# Altium PCB Inverter_540VDC_V2.PcbDoc (part 1 of 3) (continued)
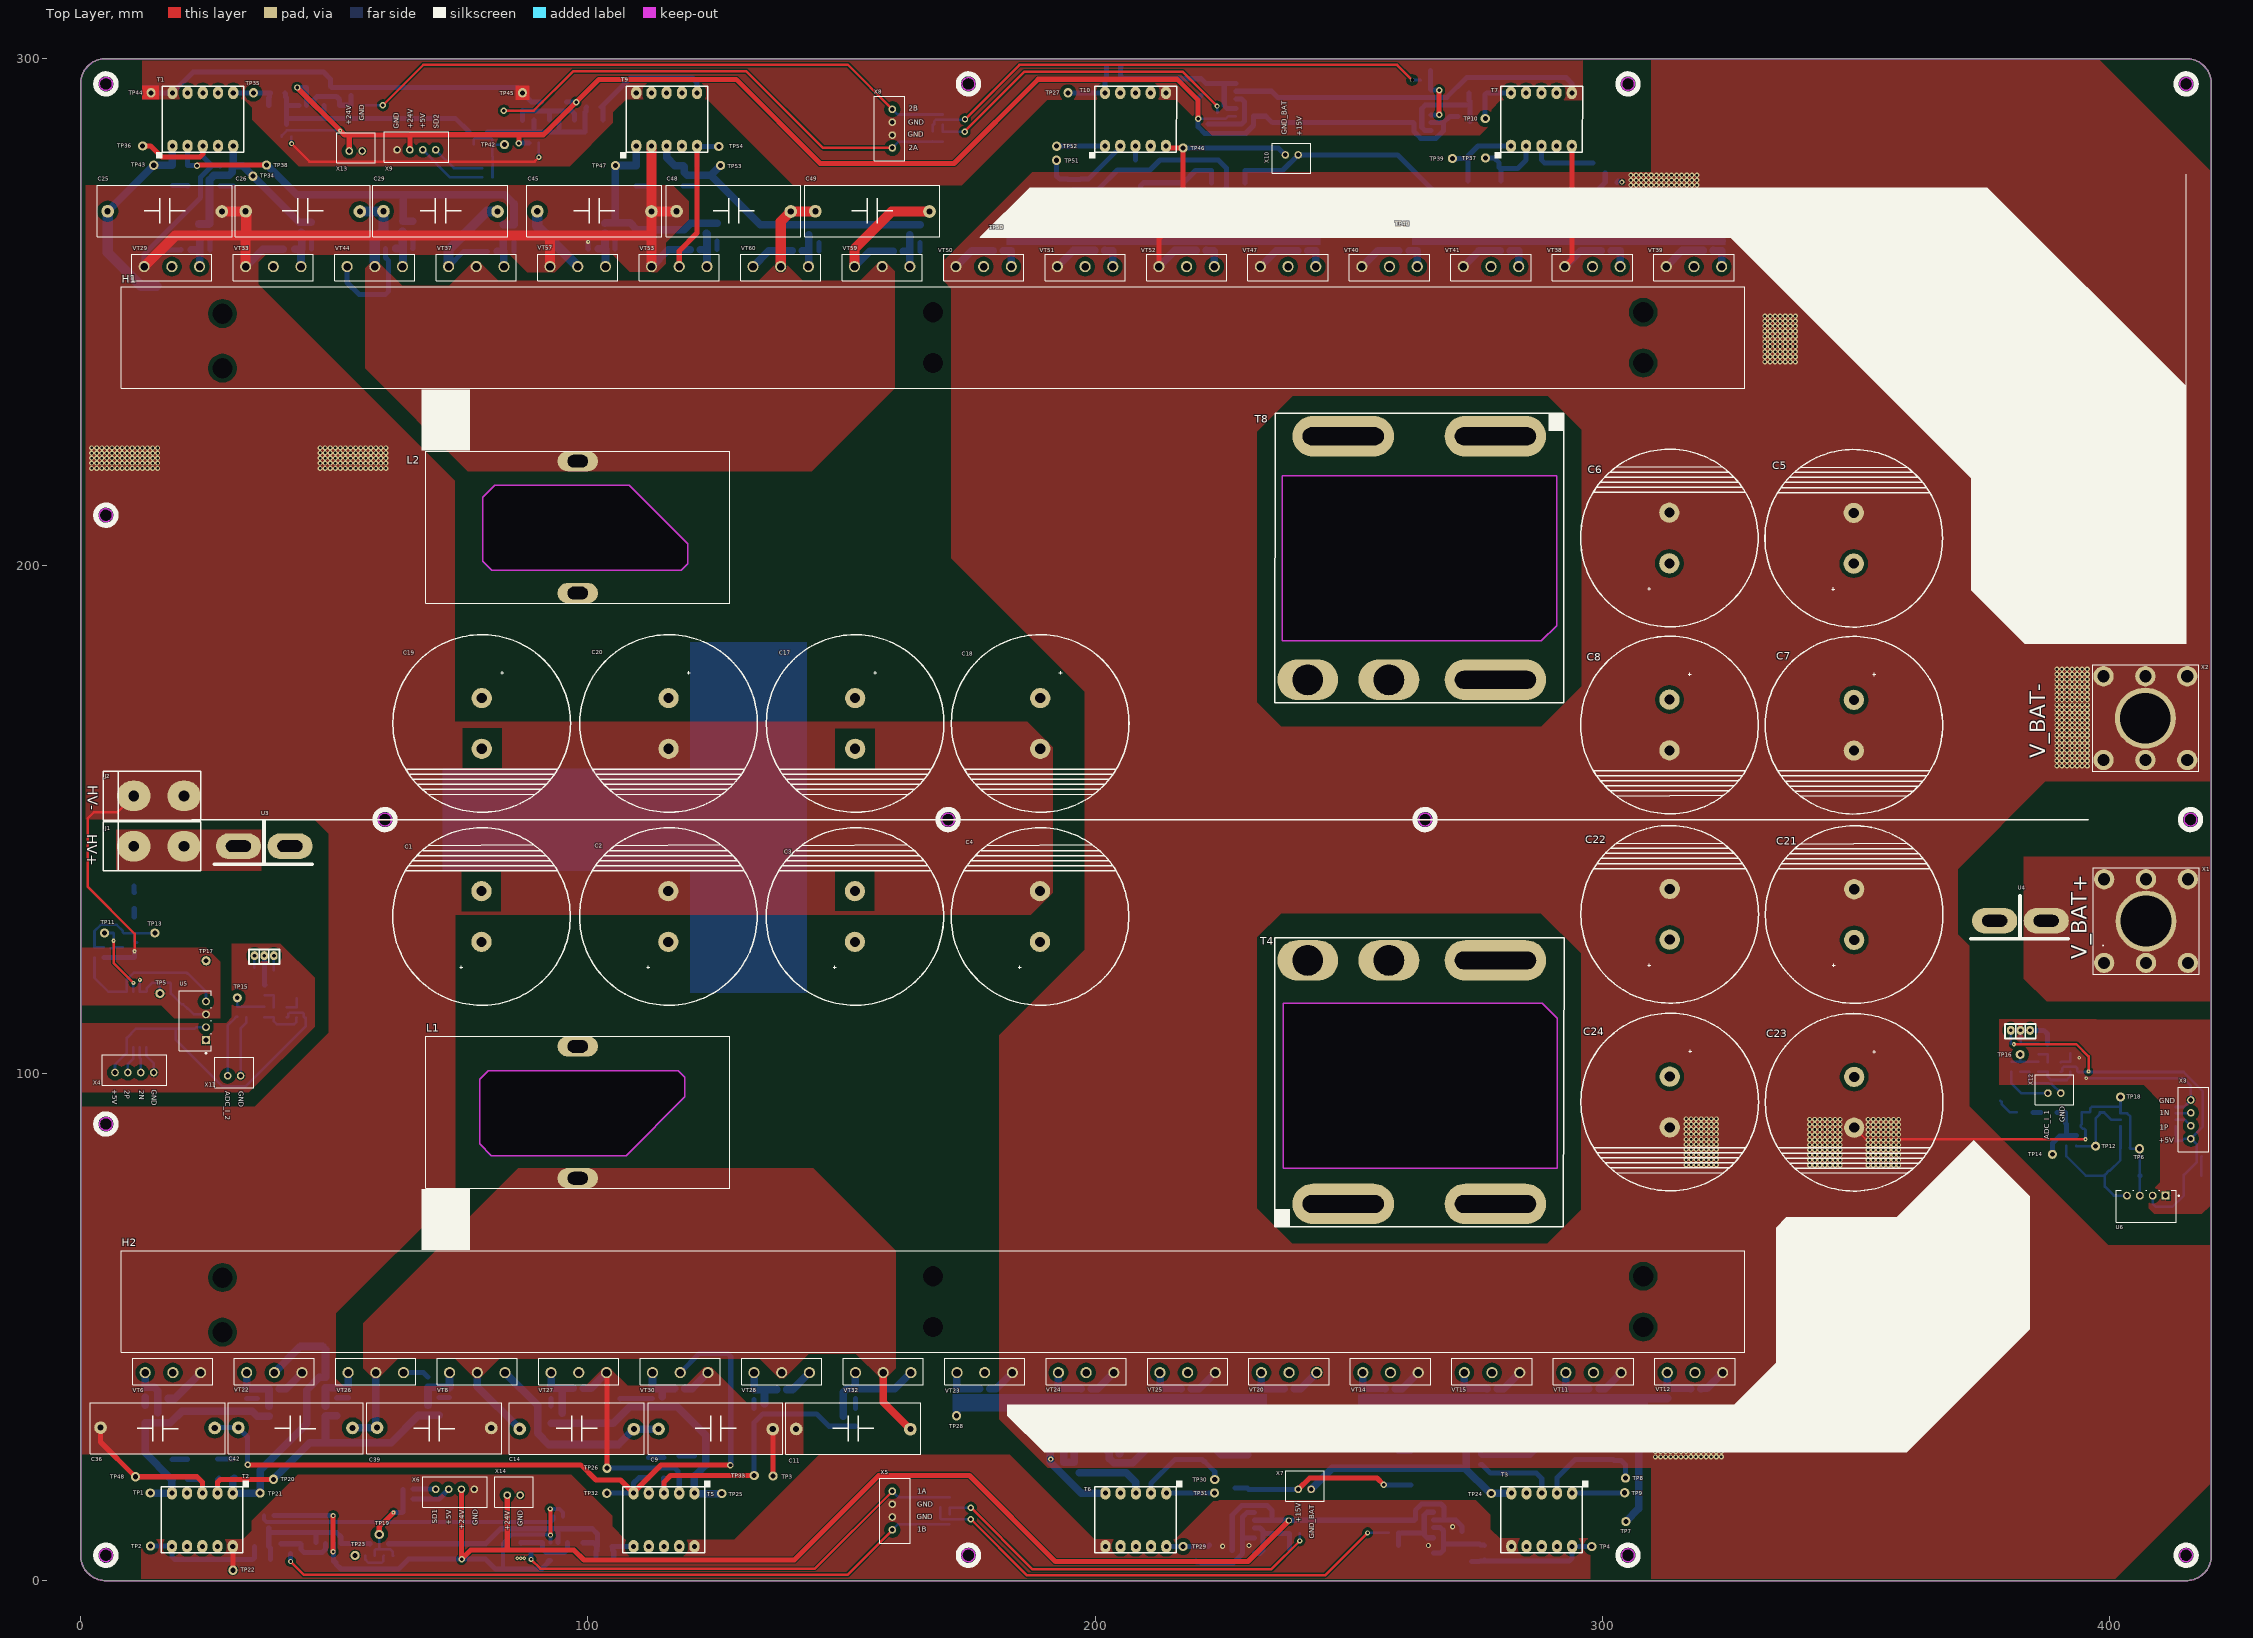
[diagram p0: Top Layer view]
## Components (designator, comment, footprint, x,y, rotation, side; value= is the part's Value field where it differs from the comment) (continued)
R12 "100" RES-0805 169.425,15.425 r90 bottom
R13 "100" RES-0805 171.3,15.4 r90 bottom
R14 "100" RES-0805 169.422,12.062 r270 bottom
R15 "100" RES-0805 171.275,12.075 r270 bottom
R16 "10K" RES-0805 54.275,292.675 r180 bottom
R17 "10" RES-0805 41.4,6.3 r90 bottom
R18 "10K" RES-0805 265.1,297.675 r180 bottom
R19 "RES-CONST" RES-0805 15.25,32.1 r90 bottom
R20 "RES-CONST" RES-0805 16.25,35.9 r0 bottom
R21 "RES-CONST" RES-0805 12.75,37.1 r90 bottom
R22 "RES-CONST" RES-2512 260.95,22.15 r90 bottom
R23 "RES-CONST" RES-0805 98.075,37.95 r0 bottom
R24 "RES-CONST" RES-0805 92.75,36.925 r90 bottom
R25 "RES-CONST" RES-0805 138.225,37.675 r0 bottom
R26 "RES-CONST" RES-0805 134.8,33.875 r90 bottom
R27 "RES-CONST" RES-0805 132.75,36.65 r90 bottom
R28 "RES-CONST" RES-0805 68.475,33.55 r90 bottom
R29 "RES-CONST" RES-0805 252.75,36.925 r270 bottom
R30 "RES-CONST" RES-0805 23.275,266.4 r270 bottom
R31 "RES-CONST" RES-0805 20.825,262.3 r180 bottom
R32 "RES-CONST" RES-0805 24.475,262.275 r180 bottom
R33 "RES-CONST" RES-0805 272.75,36.925 r270 bottom
R34 "RES-CONST" RES-0805 292.75,36.925 r270 bottom
R35 "RES-CONST" RES-0805 312.75,36.925 r270 bottom
R36 "10" RES-0805 54.275,290.8 r180 bottom
R37 "RES-CONST" RES-0805 43.475,266.725 r270 bottom
R38 "RES-CONST" RES-0805 41.075,262.425 r180 bottom
R39 "RES-CONST" RES-0805 72.725,37.075 r90 bottom
R40 "" RES-1206 10.575,138.85 r90 bottom
R41 "RES-CONST" RES-0805 68.5,39.1 r90 bottom
R42 "10" RES-0805 289.228,29.125 r90 bottom
R43 "100" RES-0805 275.95,23.9 r90 bottom
R44 "100" RES-0805 258.825,9.425 r0 bottom
R45 "RES-CONST" RES-2512 300.875,20.575 r90 bottom
R46 "RES-CONST" RES-0805 258.125,37.8 r180 bottom
R47 "RES-CONST" RES-0805 278.2,37.8 r180 bottom
R48 "RES-CONST" RES-0805 298.3,37.8 r180 bottom
R49 "RES-CONST" RES-0805 318.4,37.8 r180 bottom
R50 "RES-CONST" RES-0805 44.475,262.425 r180 bottom
R51 "1K" RES-0805 64.55,16.1 r180 bottom
R52 "1" RES-0805 64.525,18.025 r180 bottom
R53 "RES-CONST" RES-0805 238.2,37.85 r0 bottom
R54 "RES-CONST" RES-0805 178.225,37.8 r0 bottom
R55 "RES-CONST" RES-0805 198.225,37.8 r0 bottom
R56 "RES-CONST" RES-0805 217.95,37.8 r180 bottom
R57 "RES-CONST" RES-2512 271.35,271.3 r0 bottom
R58 "" RES-1206 376.775,94.6 r180 bottom
R59 "" RES-1206 10.6,134.05 r90 bottom
R60 "RES-CONST" RES-0805 114.675,35.25 r90 bottom
R61 "" RES-1206 383.212,92.274 r180 bottom
R62 "10" RES-0805 196.875,30.875 r0 bottom
R63 "100" RES-0805 195.95,22.4 r90 bottom
R64 "RES-CONST" RES-2512 219.95,20.575 r90 bottom
R65 "100" RES-0805 239.275,9.3 r180 bottom
R66 "RES-CONST" RES-0805 118.075,37.875 r0 bottom
R67 "RES-CONST" RES-0805 232.75,36.9 r90 bottom
R68 "RES-CONST" RES-0805 172.725,36.925 r90 bottom
R69 "RES-CONST" RES-0805 192.7,36.925 r90 bottom
R70 "RES-CONST" RES-0805 212.775,36.925 r90 bottom
R71 "RES-CONST" RES-0805 83.3,266.275 r270 bottom
R72 "RES-CONST" RES-0805 112.725,36.875 r90 bottom
R73 "1K" RES-0805 38.075,116.4 r270 bottom
R74 "10" RES-0805 88.75,6.5 r90 bottom
R75 "1K" RES-0805 387.675,104.775 r270 bottom
R76 "RES-CONST" RES-2512 228.8,21.55 r90 bottom
R77 "RES-CONST" RES-0805 150.35,31.425 r90 bottom
R78 "RES-CONST" RES-0805 158.225,37.8 r0 bottom
R79 "RES-CONST" RES-0805 152.725,36.85 r90 bottom
R80 "RES-CONST" RES-0805 263.475,263.125 r90 bottom
R81 "RES-CONST" RES-0805 283.475,263.125 r90 bottom
R82 "RES-CONST" RES-0805 303.45,263.125 r90 bottom
R83 "RES-CONST" RES-0805 323.475,263.125 r90 bottom
R84 "RES-CONST" RES-0805 84.45,262 r180 bottom
R85 "RES-CONST" RES-0805 81.175,262 r180 bottom
R86 "10" RES-0805 296.525,269.975 r270 bottom
R87 "100" RES-0805 300.5,278.4 r270 bottom
R88 "100" RES-0805 265.1,295.725 r0 bottom
R89 "RES-CONST" RES-2512 276.725,277.075 r0 bottom
R90 "RES-CONST" RES-0805 63.45,267 r270 bottom
R91 "RES-CONST" RES-0805 61.1,262.55 r180 bottom
R92 "RES-CONST" RES-0805 64.475,262.525 r180 bottom
R93 "RES-CONST" RES-0805 260.85,262.1 r0 bottom
R94 "RES-CONST" RES-0805 280.825,262.1 r0 bottom
R95 "RES-CONST" RES-0805 300.75,262.15 r0 bottom
R96 "RES-CONST" RES-0805 320.8,262.175 r0 bottom
R97 "1K" RES-0805 80.2,276.6 r0 bottom
R98 "1" RES-0805 80.196,278.425 r0 bottom
R99 "RES-CONST" RES-0805 240.9,262.15 r180 bottom
R100 "RES-CONST" RES-0805 180.85,262.125 r180 bottom
R101 "RES-CONST" RES-0805 200.875,262.175 r180 bottom
R102 "RES-CONST" RES-0805 220.85,262.175 r0 bottom
R103 "RES-CONST" RES-0805 123.35,266.525 r270 bottom
R104 "RES-CONST" RES-0805 121.2,262.325 r180 bottom
R105 "RES-CONST" RES-0805 124.475,262.325 r180 bottom
R106 "RES-CONST" RES-0805 103.375,266.575 r270 bottom
R107 "RES-CONST" RES-2512 195.875,279.425 r270 bottom
R108 "100" RES-0805 224.031,288.129 r270 bottom
R109 "RES-CONST" RES-0805 101.075,262.475 r180 bottom
R110 "RES-CONST" RES-0805 243.45,263.125 r270 bottom
R111 "RES-CONST" RES-0805 183.475,263.125 r270 bottom
R112 "RES-CONST" RES-0805 203.45,263.125 r270 bottom
R113 "RES-CONST" RES-0805 223.45,263.05 r270 bottom
R114 "10" RES-0805 220.9,270.525 r270 bottom
R115 "100" RES-0805 207.925,279.05 r270 bottom
R116 "RES-CONST" RES-0805 104.375,262.475 r180 bottom
R117 "10" RES-0805 86.15,289.725 r0 bottom
R118 "RES-CONST" RES-2512 226.225,276.7 r180 bottom
R119 "RES-CONST" RES-0805 163.425,266.25 r270 bottom
R120 "RES-CONST" RES-0805 161.175,262.025 r180 bottom
R121 "RES-CONST" RES-0805 164.45,262.025 r180 bottom
R122 "RES-CONST" RES-0805 141.225,262.1 r180 bottom
R123 "RES-CONST" RES-0805 143.5,266.275 r270 bottom
R124 "RES-CONST" RES-0805 144.525,262.125 r180 bottom
R125 "" RES-1206 10.575,129.225 r90 bottom
R126 "" RES-1206 388,92.25 r180 bottom
R127 "" RES-0805 2.75,123.8 r270 bottom
R128 "" RES-0805 391.4,86.675 r270 bottom
R129 "1K" RES-0805 7.5,127.625 r180 bottom
R130 "1K" RES-0805 393.35,86.7 r270 bottom
R131 "1M" RES-0805 8.3,123.825 r90 bottom
R132 "1M" RES-0805 395.175,86.65 r270 bottom
R133 "RES_1210" RES-1206 10.575,124.425 r90 bottom
R134 "10K" RES-0805 36.219,112.075 r90 bottom
R135 "1K" RES-0805 30.894,112.1 r270 bottom
R136 "RES_1210" RES-1206 392.8,92.25 r180 bottom
R137 "10K" RES-0805 385.9,101.275 r90 bottom
R138 "1K" RES-0805 380.575,101.3 r270 bottom
R139 "1K" RES-0805 42.594,111.975 r270 bottom
R140 "1K" RES-0805 392.175,101.25 r270 bottom
R141 "36K" RES-0805 32.669,112.075 r90 bottom
R142 "36K" RES-0805 382.325,101.3 r90 bottom
R143 "100K" RES-0805 41.569,114.75 r0 bottom
R144 "100K" RES-0805 391.125,103.925 r0 bottom
R145 "10K" RES-0805 222.225,288.125 r270 bottom
R146 "10K" RES-0805 86.15,287.825 r0 bottom
R147 "100" RES-0805 167.95,284.65 r270 bottom
R148 "100" RES-0805 169.925,284.6 r270 bottom
R149 "100" RES-0805 167.925,287.975 r90 bottom
R150 "100" RES-0805 169.9,287.975 r90 bottom
T1 "TRANS_EE16" TRANS_EE16 24.1,288 r90 top locked
T2 "TRANS_EE16" TRANS_EE16 24,12 r270 top locked
T3 "TRANS_EE16" TRANS_EE16 288,12 r270 top locked
T4 "TRANS_EE55" TRANS_EE55 263.875,98.25 r90 top locked
T5 "TRANS_EE16" TRANS_EE16 115,12 r270 top locked
T6 "TRANS_EE16" TRANS_EE16 208,12 r270 top locked
T7 "TRANS_EE16" TRANS_EE16 287.925,288 r90 top locked
T8 "TRANS_EE55" TRANS_EE55_1 263.875,201.55 r270 top locked
T9 "TRANS_EE16" TRANS_EE16 115.525,288 r90 top locked
T10 "TRANS_EE16" TRANS_EE16 207.925,288 r90 top locked
TP1 "Test_Point_PCB" Test_Point#1 13.75,17.275 r0 top
TP2 "Test_Point_PCB" Test_Point#1 13.775,6.8 r90 top
TP3 "Test_Point_PCB" Test_Point#1 136.5,20.625 r90 top
TP4 "Test_Point_PCB" Test_Point#1 297.85,6.7 r90 top
TP5 "Test_Point_PCB" Test_Point#1 15.625,115.725 r270 top
TP6 "Test_Point_PCB" Test_Point#1 405.8,85.125 r90 top
TP7 "Test_Point_PCB" Test_Point#1 304.575,11.65 r90 top
TP8 "Test_Point_PCB" Test_Point#1 304.5,20.2 r90 top
TP9 "Test_Point_PCB" Test_Point#1 304.35,17.325 r90 top
TP10 "Test_Point_PCB" Test_Point#1 276.875,288.175 r90 top
TP11 "Test_Point_PCB" Test_Point#2 4.725,127.65 r270 top
TP12 "Test_Point_PCB" Test_Point#2 397.175,85.625 r90 top
TP13 "Test_Point_PCB" Test_Point#2 14.65,127.65 r90 top
TP14 "Test_Point_PCB" Test_Point#2 388.65,84.025 r90 top
TP15 "Test_Point_PCB" Test_Point#2 30.9,114.875 r90 top
TP16 "Test_Point_PCB" Test_Point#2 382.3,103.7 r90 top
TP17 "Test_Point_PCB" Test_Point#2 24.75,122.175 r90 top
TP18 "Test_Point_PCB" Test_Point#2 402.075,95.322 r90 top
TP19 "Test_Point_PCB" Test_Point#1 58.875,9.125 r90 top
TP20 "Test_Point_PCB" Test_Point#1 38.025,19.975 r90 top
TP21 "Test_Point_PCB" Test_Point#1 35.4,17.25 r90 top
TP22 "Test_Point_PCB" Test_Point#1 30.025,2.05 r90 top
TP23 "Test_Point_PCB" Test_Point#1 54.125,4.975 r90 top
TP24 "Test_Point_PCB" Test_Point#1 278.05,17.2 r90 top
TP25 "Test_Point_PCB" Test_Point#1 126.375,17.15 r90 top
TP26 "Test_Point_PCB" Test_Point#1 103.75,22.164 r90 top
TP27 "Test_Point_PCB" Test_Point#1 194.625,293.25 r90 top
TP28 "Test_Point_PCB" Test_Point#1 172.675,32.5 r90 top
TP29 "Test_Point_PCB" Test_Point#1 217.323,6.75 r90 top
TP30 "Test_Point_PCB" Test_Point#1 223.55,19.9 r90 top
TP31 "Test_Point_PCB" Test_Point#1 223.5,17.3 r90 top
TP32 "Test_Point_PCB" Test_Point#1 103.725,17.225 r90 top
TP33 "Test_Point_PCB" Test_Point#1 132.775,20.7 r90 top
TP34 "Test_Point_PCB" Test_Point#1 33.987,276.813 r90 top
TP35 "Test_Point_PCB" Test_Point#1 34.078,293.25 r90 top
TP36 "Test_Point_PCB" Test_Point#1 12.25,282.775 r90 top
TP37 "Test_Point_PCB" Test_Point#1 276.91,280.408 r90 top
TP38 "Test_Point_PCB" Test_Point#1 36.675,279 r90 top
TP39 "Test_Point_PCB" Test_Point#1 270.375,280.3 r90 top
TP40 "Test_Point_PCB" Test_Point#1 263.45,267.45 r90 top
TP42 "Test_Point_PCB" Test_Point#1 83.55,283.025 r90 top
TP43 "Test_Point_PCB" Test_Point#1 14.425,278.975 r90 top
TP44 "Test_Point_PCB" Test_Point#1 13.9,293.25 r90 top
TP45 "Test_Point_PCB" Test_Point#1 87.1,293.25 r90 top
TP46 "Test_Point_PCB" Test_Point#1 217.325,282.375 r90 top
TP47 "Test_Point_PCB" Test_Point#1 105.425,278.918 r90 top
TP48 "Test_Point_PCB" Test_Point#1 10.8,20.475 r90 top
TP50 "Test_Point_PCB" Test_Point#1 183.475,266.8 r90 top
TP51 "Test_Point_PCB" Test_Point#1 192.375,279.95 r90 top
TP52 "Test_Point_PCB" Test_Point#1 192.4,282.725 r90 top
TP53 "Test_Point_PCB" Test_Point#1 126.15,278.925 r90 top
TP54 "Test_Point_PCB" Test_Point#1 125.8,282.7 r90 top
U1 "AMC1311" FP-DWV0008A-MFG 11.05,110.625 r270 bottom
U2 "AMC1311" FP-DWV0008A-MFG 407.525,91.45 r0 bottom
U3 "ACS758" ACS758-100 36.2,132.95 r0 top locked
U4 "ACS758" ACS758-100 382.35,118.25 r0 top locked
U5 "B0505S-1W" B0505S-1W 22.625,110.35 r90 top
U6 "B0505S-1W" B0505S-1W 407.15,73.775 r180 top
U7 "MCP6001T-I/OT" SOT23-5 39.394,112.025 r0 bottom
U8 "MCP6001T-I/OT" SOT23-5 389,101.25 r0 bottom
VD1 "1N4148" SOD-123 34.85,34.125 r90 bottom
VD2 "1N4148" SOD-123 50.5,34.225 r90 bottom
VD3 "1N4148" SOD-123 92.75,32.7 r90 bottom
VD4 "1N4148" SOD-123 132.775,32.225 r90 bottom
VD5 "1N4148" SOD-123 25.425,265.725 r270 bottom
VD6 "BAT54S" SOT23-3 40.6,285.825 r90 bottom
VD7 "J3 16V" SOD-80 30.1,276.9 r90 bottom locked
VD8 "1N4148" SOD-123 45.475,265.975 r270 bottom
VD9 "J3 16V" SOD-80 27.475,276.875 r90 bottom
VD10 "1N4148" SOD-123 38.85,290.75 r180 bottom
VD11 "J3 16V" SOD-80 21.125,276.9 r90 bottom locked
VD12 "BAT54S" SOT23-3 37.15,11.6 r270 bottom
VD13 "J3 16V" SOD-80 18.075,21.875 r270 bottom
VD14 "1N4148" SOD-123 12.75,32.85 r90 bottom
VD15 "J3 16V" SOD-80 21.05,21.925 r270 bottom
VD16 "1N4148" SOD-123 35.65,4.125 r180 bottom
VD17 "J3 16V" SOD-80 27.05,21.95 r270 bottom
VD18 "1N4148" SOD-123 70.7,34.325 r90 bottom
VD19 "J3 16V" SOD-80 30.05,21.95 r270 bottom
VD20 "1N4148" SOD-123 274.15,5.5 r270 bottom
VD21 "J3 16V" SOD-80 275.967,28.675 r270 bottom
VD22 "J3 16V" SOD-80 273.117,28.675 r270 bottom
VD23 "BAT54S" SOT23-3 271.375,8.5 r270 bottom
VD24 "J3 16V" SOD-80 191.225,27.425 r270 bottom
VD25 "J3 16V" SOD-80 193.825,27.425 r270 bottom
VD26 "BAT54S" SOT23-3 94.175,11.425 r270 bottom
VD27 "BAT54S" SOT23-3 226.05,4.725 r270 bottom
VD28 "J3 16V" SOD-80 120.975,22.525 r270 bottom
VD29 "1N4148" SOD-123 222.55,5.275 r90 bottom
VD30 "1N4148" SOD-123 106.325,34.1 r90 bottom
VD31 "1N4148" SOD-123 103.35,4.175 r0 bottom
VD32 "J3 16V" SOD-80 117.975,22.525 r270 bottom
VD33 "J3 16V" SOD-80 114.95,22.25 r270 bottom
VD34 "1N4148" SOD-123 152.725,32.175 r90 bottom
VD35 "J3 16V" SOD-80 111.925,22.275 r270 bottom
VD36 "1N4148" SOD-123 85.425,265.55 r270 bottom
VD37 "J3 16V" SOD-80 18.1,276.9 r90 bottom locked
VD38 "1N4148" SOD-123 275.425,293.25 r0 bottom
VD39 "J3 16V" SOD-80 300.525,273.575 r90 bottom
VD40 "BAT54S" SOT23-3 272.7,287.6 r0 bottom
VD41 "1N4148" SOD-123 65.5,266.175 r270 bottom
VD42 "J3 16V" SOD-80 302.8,273.575 r90 bottom
VD43 "1N4148" SOD-123 125.45,265.8 r270 bottom
VD44 "J3 16V" SOD-80 197.525,270.15 r90 bottom
VD45 "BAT54S" SOT23-3 221.775,293.929 r90 bottom
VD46 "J3 16V" SOD-80 195.125,270.125 r90 bottom
VD47 "BAT54S" SOT23-3 89.375,284.575 r90 bottom
VD48 "J3 16V" SOD-80 109.5,276.9 r90 bottom locked
VD49 "1N4148" SOD-123 203.65,296.025 r180 bottom
VD50 "1N4148" SOD-123 105.425,265.875 r270 bottom
VD51 "1N4148" SOD-123 101.2,287.925 r0 bottom
VD52 "J3 16V" SOD-80 112.5,276.9 r90 bottom locked
VD53 "J3 16V" SOD-80 118.775,276.875 r90 bottom locked
VD54 "1N4148" SOD-123 165.45,265.5 r270 bottom
VD55 "J3 16V" SOD-80 121.525,276.9 r90 bottom locked
VD56 "1N4148" SOD-123 145.521,265.475 r270 bottom
VT1 "2SC2655" SOT-89 49.822,5.3 r0 bottom
VT2 "2SA1020" SOT-89 44.897,5.3 r0 bottom
VT3 "2SC2655" SOT-89 280.428,29.9 r0 bottom
VT4 "2SC2655" SOT-89 264.7,11.95 r270 bottom
VT5 "2SA1020" SOT-89 285.378,29.9 r0 bottom
VT6 "YGW40N65F1" TO-247-3 18.2,41 r0 top locked
VT7 "2SA1020" SOT-89 264.7,6.925 r270 bottom
VT8 "YGW40N65F1" TO-247-3 78.2,41 r0 top locked
VT9 "2SA1020" SOT-89 206.25,28.85 r0 bottom
VT10 "2SA1020" SOT-89 233.375,6.925 r90 bottom
VT11 "NCE82H140" TO-247-3 298.2,41 r0 top locked
VT12 "NCE82H140" TO-247-3 318.2,41 r0 top locked
VT13 "2SA1020" SOT-89 97.525,5.475 r0 bottom
VT14 "NCE82H140" TO-247-3 258.2,41 r0 top locked
VT15 "NCE82H140" TO-247-3 278.2,41 r0 top locked
VT16 "2SC2655" SOT-89 233.375,11.9 r90 bottom
VT17 "2SC2655" SOT-89 201.3,28.85 r0 bottom
VT18 "AO3404" SOT23-3 57.025,6.075 r90 bottom
VT19 "AO3404" SOT23-3 60.675,6.075 r90 bottom
VT20 "NCE82H140" TO-247-3 238.2,41 r0 top locked
VT21 "2SC2655" SOT-89 92.6,5.5 r0 bottom
VT22 "YGW40N65F1" TO-247-3 38.2,41 r0 top locked
VT23 "NCE82H140" TO-247-3 178.2,41 r0 top locked
VT24 "NCE82H140" TO-247-3 198.2,41 r0 top locked
VT25 "NCE82H140" TO-247-3 218.2,41 r0 top locked
VT26 "YGW40N65F1" TO-247-3 58.2,41 r0 top locked
VT27 "YGW40N65F1" TO-247-3 98.2,41 r0 top locked
VT28 "YGW40N65F1" TO-247-3 138.2,41 r0 top locked
VT29 "YGW40N65F1" TO-247-3 18,259 r180 top locked
VT30 "YGW40N65F1" TO-247-3 118.2,41 r0 top locked
VT31 "2SC2655" SOT-89 44.525,292.775 r180 bottom
VT32 "YGW40N65F1" TO-247-3 158.2,41 r0 top locked
VT33 "YGW40N65F1" TO-247-3 38,259 r180 top locked
VT34 "2SA1020" SOT-89 49.5,292.775 r180 bottom
VT35 "2SC2655" SOT-89 288,270.9 r180 bottom
VT36 "2SC2655" SOT-89 264.175,287.358 r270 bottom
VT37 "YGW40N65F1" TO-247-3 78,259 r180 top locked
VT38 "NCE82H140" TO-247-3 298,259 r180 top locked
VT39 "NCE82H140" TO-247-3 318,259 r180 top locked
VT40 "NCE82H140" TO-247-3 258,259 r180 top locked
VT41 "NCE82H140" TO-247-3 278,259 r180 top locked
VT42 "2SA1020" SOT-89 293.075,270.95 r180 bottom
VT43 "2SA1020" SOT-89 264.15,292.308 r270 bottom
VT44 "YGW40N65F1" TO-247-3 58,259 r180 top locked
VT45 "AO3404" SOT23-3 76.55,284.35 r90 bottom
VT46 "AO3404" SOT23-3 80.2,284.375 r90 bottom
VT47 "NCE82H140" TO-247-3 238,259 r180 top locked
VT48 "2SA1020" SOT-89 217.375,271.525 r180 bottom
VT49 "2SA1020" SOT-89 229.75,293.554 r90 bottom
VT50 "NCE82H140" TO-247-3 178,259 r180 top locked
VT51 "NCE82H140" TO-247-3 198,259 r180 top locked
VT52 "NCE82H140" TO-247-3 218,259 r180 top locked
VT53 "YGW40N65F1" TO-247-3 118,259 r180 top locked
VT54 "2SA1020" SOT-89 90.875,289.925 r180 bottom
VT55 "2SC2655" SOT-89 229.725,288.629 r90 bottom
VT56 "2SC2655" SOT-89 212.325,271.525 r180 bottom
VT57 "YGW40N65F1" TO-247-3 98,259 r180 top locked
VT58 "2SC2655" SOT-89 95.825,289.925 r180 bottom
VT59 "YGW40N65F1" TO-247-3 158,259 r180 top locked
VT60 "YGW40N65F1" TO-247-3 138,259 r180 top locked
X1 "V_BAT" Terminal_18x18_M8 407.1,130 r90 top locked
X2 "BAT_GND" Terminal_18x18_M8 406.975,170 r90 top locked
X3 "CONN-4-PIN" CONN-PLS-4-2.54mm_1 415.95,87.11 r90 top
X4 "CONN-4-PIN" CONN-PLS-4-2.54mm_1 14.415,100.15 r180 top
X5 "CONN-4-PIN" CONN-PLS-4-2.54mm_1 160,10 r90 top locked
X6 "CONN-4-PIN" CONN-PLS-4-2.54mm_1 70,18 r0 top locked
X7 "CONN-2-PIN" XH2- 240,18 r0 top locked
X8 "CONN-4-PIN" CONN-PLS-4-2.54mm_1 160,290 r270 top locked
X9 "CONN-4-PIN" CONN-PLS-4-2.54mm_1 70,282 r180 top locked
X10 "CONN-2-PIN" XH2- 240,281 r180 top locked
X11 "CONN-2-PIN" XH2- 29,99.5 r0 top
X12 "CONN-2-PIN" XH2- 387.775,96.1 r0 top
X13 "CONN-2-PIN" XH2- 52.96,281.775 r0 top
X14 "CONN-2-PIN" XH2- 84.11,16.85 r0 top

## Footprints (in the part's own frame and the unit in brackets; to place one, negate y for a bottom-side part, rotate by r counter-clockwise, add the part's x,y. Pads: shape width x height; smd on the part's side, far side on the other; paste and mask are expansions set on the pad)
ACS758-100 [mil]
  oval 60x70 hole 30: 1(-75,-385) 2(0,-385) 3(75,-385)
  oval 350x200 hole 90 slot 195 at 0 deg: 4(200,465) 5(-200,465)
  silkscreen extent -385,-449 370,665, body extent -276,-404 276,492, height 280
B0505S-1W [mm]
  rect 1.55x1.55 hole 1 paste-2539.97 mask+0: 1(-3.81,-2.1)
  round 1.55 hole 1 paste-2539.97 mask+0: 2(-1.27,-2.1) 3(1.27,-2.1) 4(3.81,-2.1)
  silkscreen extent -6.52,-3.13 5.92,3.13, body extent -6.02,-3.22 6.02,3.22, height 0.25
CAP-0805 [mm]
  rect 0.8x1.25 smd mask+0.015: 1(-1,0) 2(1,0)
  silkscreen extent -1.52,-0.76 1.52,0.76, body extent -1,-0.62 1,0.63, height 0.8
CAP-1206 [mm]
  rect 1.3x1.8 smd: 1(-1.425,0) 2(1.425,0)
  silkscreen extent -2.37,-1.2 2.37,1.2, body extent -1.68,-0.87 1.67,0.87, height 0.95
CAP-FILM-22.5X26.5X10 [mm]
  round 2.5 hole 1.2: 1(-11.25,0.15) 2(11.25,0.1)
  silkscreen extent -13.28,-5.02 13.33,5.1, body extent -13.25,-5 13.25,5, height 18.5
CAP-TAN-D [mm]
  rect 2.2x2.5 smd: 1(-3.45,0) 2(3.45,0)
  silkscreen extent -4.5,-2.4 3.65,2.4, body extent -3.8,-2.3 3.8,2.3, height 4
CAPPOL-65x35 [mm]
  round 4 hole 2: 1(-5,0) 2(5,0)
  silkscreen extent -17.5,-17.5 17.5,17.5, body extent -17.5,-17.5 17.5,17.5, height 65
CAPPOL-100x35 [mm]
  round 4 hole 2: 1(-5,0) 2(5,0)
  silkscreen extent -17.5,-17.5 17.5,17.5, body extent -17.5,-17.5 17.5,17.5, height 100
CONN-PLS-4-2.54mm_1 [mm]
  round 1.5 hole 0.9: 1(0,0) 2(2.54,0) 3(5.08,0) 4(7.62,0)
  silkscreen extent -2.6,-3.55 10.15,2.47, body extent -2.45,-3.4 9.95,2.35, height 7
Conn_MEIGAN_MG136HT [mm]
  oval 6x6.6 hole 2.159: 1(0,7.366) 1(0,-2.54)
  silkscreen extent -4.83,-8.51 4.83,10.67, body extent -6,-8.55 5,9.95, height 30.95
DROSSEL_TOR_50X30X20 [mm]
  oval 8x4 hole 2.5 slot 4 at 0 deg: 1(0,13) 2(0,-13)
  silkscreen extent -30,-15 30,15, body extent -30,-15 30,15, height 61.25
FP-DWV0008A-MFG [mm]
  rect 1.8x0.6 smd paste+0 mask+0: 1(-5.45,1.905) 2(-5.45,0.635) 3(-5.45,-0.635) 4(-5.45,-1.905) 5(5.45,-1.905) 6(5.45,-0.635) 7(5.45,0.635) 8(5.45,1.905)
  silkscreen extent -7.1,-2.98 3.8,2.98, body extent -5.75,-2.93 5.75,2.93, height 2.8
"HEAT SINK" [mm]
  round 1.524 hole 4 unplated: 5(-140,-5) 5(-140,5) 5(0,5) 5(0,-5) 5(140,-4.722) 5(140,6.028)
  round 0 all layers, no hole: 5(-70,-5) 5(-70,5) 5(70,-4.722) 5(70,5.778)
  silkscreen extent -160,-10 160,10, body extent -160,-10 160,10, height 97.5
RES-0805 [mm]
  rect 0.8x1.25 smd mask+0.015: 1(-1,0) 2(1,0)
  silkscreen extent -1.52,-0.76 1.52,0.76, body extent -1,-0.62 1,0.63, height 0.6
RES-1206 [mm]
  rect 1x1.6 smd: 1(-1.6,0) 2(1.6,0)
  silkscreen extent -2.29,-1.02 2.29,1.02, body extent -1.6,-0.8 1.6,0.8, height 0.6
RES-2512 [mm]
  rect 1.8x1.45 smd: 1(-3.275,-1.225) 1(-3.275,1.225) 2(3.275,-1.225) 2(3.275,1.225)
  silkscreen extent -4.28,-2.05 4.25,2.05, body extent -3.2,-1.6 3.2,1.6, height 0.6
SOD-80 [mm]
  rect 1.5x1.45 smd: 1(-2,0) 2(2,0)
  silkscreen extent -2.9,-0.9 2.93,0.92, body extent -1.88,-0.79 1.82,0.79, height 1.6
SOD-123 [mm]
  rect 1x0.7 smd: 1(-1.75,0) 2(1.75,0)
  silkscreen extent -2.37,-1.08 2.35,1.02, body extent -1.98,-0.85 1.98,0.85, height 1.45
SOT23-3 [mm]
  rect 1x0.6 smd: 1(-1.2,0.95) 2(-1.2,-0.95) 3(1.2,0)
  silkscreen extent -0.4,-1.55 0.4,1.55, body extent -1.25,-1.46 1.23,1.46, height 1.02
SOT23-5 [mm]
  rect 1x0.66 smd: 1(-1.3,0.95) 2(-1.3,0) 3(-1.3,-0.95) 4(1.3,-0.95) 5(1.3,0.95)
  silkscreen extent -2.05,-1.7 2.05,1.7, body extent -1.25,-1.5 1.25,1.5, height 1.08
SOT-89 [mm]
  rect 0.8x1.5 smd: 1(-1.525,-2) 2(0,-2) 3(1.5,-2)
  rect 2x1.5 smd: 2(0,1.5)
  silkscreen extent -2.35,-2.9 2.35,2.35, body extent -2.25,-2.29 2.25,1.86, height 1.5
Terminal_18x18_M8 [mm]
  round 4 hole 2.4: 1(-8.25,-8.25) 1(-8.25,0) 1(-8.25,8.25) 1(8.25,-8.25) 1(8.25,0) 1(8.25,8.25)
  round 12 hole 10: 1(0,0)
  silkscreen extent -10.5,-10.5 10.5,10.5, body extent -9,-9 9,9, height 12.5
Test_Point#1 [mm]
  round 1.8 hole 1 paste-2539.97 mask+0.102: 1(0,0)
Test_Point#2 [mm]
  round 1.8 hole 0.95: 1(0,0)
TO-247-3 [mm]
  round 2.2 hole 1.5: 1(-5.46,0) 2(0,0) 3(5.46,0)
  silkscreen extent -7.9,-2.4 7.9,2.8, body extent -7.75,-2.28 7.75,2.72, height 30.08
TRANS_EE16 [mm]
  oval 2.5x2 hole 1: 1(-5.25,6) 2(-5.25,3) 3(-5.25,0) 4(-5.25,-3) 5(-5.25,-6) 6(5.25,-6) 7(5.25,-3) 8(5.25,0) 9(5.25,3) 10(5.25,6)
  silkscreen extent -7.7,-8.11 6.5,9.2, body extent -6.47,-8.1 6.45,8.1, height 15.55
TRANS_EE55 [mm]
  oval 8x20 hole 3.5 slot 16 at 90 deg: 1(-24,15) 2(-24,-15) 3(24,-15)
  oval 8x12 hole 6: 4(24,6) 5(24,22)
  silkscreen extent -28.5,-28.53 28.5,28.5, body extent -28.5,-28.5 28.5,28.5, height 76.2
TRANS_EE55_1 [mm]
  oval 8x20 hole 3.5 slot 16 at 90 deg: 1(-24,-15) 2(-24,15) 3(24,15)
  oval 8x12 hole 6: 4(24,-6) 5(24,-22)
  silkscreen extent -28.5,-28.53 28.5,28.5, body extent -28.5,-28.4 28.5,28.6, height 75.2
XH2- [mm]
  round 1.5 hole 0.9: 1(0,0) 2(2.54,0)
  silkscreen extent -2.5,-2.35 5.13,3.65, body extent -2.4,-2.25 5,3.55, height 7

## Part data
C10 C12 C13 C15 C27 C28 C30 C31 C32 C34 C35 C37 C38 C40 C43 C44 C46 C47 C51 C52 C53 C54 C55 C56 C57 C58 C59 C60 C61 C62 C63 C64 C65 C66: library part CAP-NON-POLAR
C16 C33: library part CAP-POLAR
C41 C50: library part CAP_POL_SMD
J1 J2: library part Connector_MEIGAN_MG136HT
R8 R9 R10 R11 R12 R13 R14 R15 R16 R17 R18 R36 R40 R42 R43 R44 R51 R52 R58 R59 R61 R62 R63 R65 R73 R74 R75 R86 R87 R88 R97 R98 R108 R114 R115 R117 R125 R126 R127 R128 R129 R130 R131 R132 R134 R137 R141 R142 R143 R144 R145 R146 R147 R148 R149 R150: library part RES-CONST
R135 R138 R139 R140: library part RES-CONST, "10K"
TP1 TP2 TP3 TP4 TP5 TP6 TP7 TP8 TP9 TP10 TP11 TP12 TP13 TP14 TP15 TP16 TP17 TP18 TP19 TP20 TP21 TP22 TP23 TP24 TP25 TP26 TP27 TP28 TP29 TP30 TP31 TP32 TP33 TP34 TP35 TP36 TP37 TP38 TP39 TP40 TP42 TP43 TP44 TP45 TP46 TP47 TP48 TP50 TP51 TP52 TP53 TP54: library part TP_PCB?, "Test_Point"
U7 U8: library part MCP6001T, "IC OPAMP GP 1 CIRCUIT SOT23-5", Case/Package=SOT-23, Input Bias Current=1pA, Input Offset Voltage (Vos)=4.5mV, Max Operating Temperature=85°C, Max Supply Voltage=6V, Min Operating Temperature=-40°C, Min Supply Voltage=1.8V, Nominal Supply Current=100uA, Operating Supply Voltage=5.5V, Output Current=23mA, Package Quantity=1, Power Supply Rejection Ratio (PSRR)=86dB, Voltage Gain=112dB, Bandwidth=1MHz, Common Mode Rejection Ratio=60dB, Contact Plating=Tin, Gain Bandwidth Product=1MHz, Height=1.3mm, Lead Free="Lead Free", Length=3.1mm, Mount="Surface Mount", Number of Amplifiers=1, Number of Channels=1, Number of Circuits=1, Number of Elements=1, Number of Pins=5, Operating Supply Current=100uA, Output Current per Channel=23mA, Packaging="Tape and Reel", Radiation Hardening=No, REACH SVHC="No SVHC", Slew Rate=0.6V/µs, Unity Gain Bandwidth Product=1MHz, Voltage=6V, Width=1.8mm
VD1 VD2 VD3 VD4 VD5 VD8 VD10 VD14 VD16 VD18 VD20 VD29 VD30 VD31 VD34 VD36 VD38 VD41 VD43 VD49 VD50 VD51 VD54 VD56: library part DIODE
VD6 VD12 VD23 VD26 VD27 VD40 VD45 VD47: library part DIODE-4
VD7 VD9 VD11 VD13 VD15 VD17 VD19 VD21 VD22 VD24 VD25 VD28 VD32 VD33 VD35 VD37 VD39 VD42 VD44 VD46 VD48 VD52 VD53 VD55: library part ZENER
VT1 VT3 VT4 VT16 VT17 VT21 VT31 VT35 VT36 VT55 VT56 VT58: library part BIPOLAR-NPN-BEC
VT2 VT5 VT7 VT9 VT10 VT13 VT34 VT42 VT43 VT48 VT49 VT54: library part BIPOLAR-PNP-BCE
VT6 VT8 VT22 VT26 VT27 VT28 VT29 VT30 VT32 VT33 VT37 VT44 VT53 VT57 VT59 VT60: library part IGBT-N-GCE
VT11 VT12 VT14 VT15 VT18 VT19 VT20 VT23 VT24 VT25 VT38 VT39 VT40 VT41 VT45 VT46 VT47 VT50 VT51 VT52: library part MOSFET-N-GDS
X1 X2: library part Terminal_18x18_M8

## Via types
v1: diameter 1, hole 0.5, Top Layer to Bottom Layer, 866 vias
v2: diameter 1.8, hole 1, Top Layer to Bottom Layer, 44 vias
v3: diameter 1.27, hole 0.711, Top Layer to Bottom Layer, 18 vias
v4: diameter 0.8, hole 0.3, Top Layer to Bottom Layer, 10 vias
v5: diameter 0.7, hole 0.3, Top Layer to Bottom Layer, 5 vias
v6: diameter 0.8, hole 0.711, Top Layer to Bottom Layer, 1 vias

## Nets (pads, with @x,y where several pads share a name; then routed paths per layer and width w, separated by ;. In a path a pad name is that pad's centre, name@x,y a point inside that pad or via, vN(x,y) a via of type N, cw(c..) or ccw(c..) an arc to the next point about the centre after c; other vN are vias at no path point)
+5V: C10.1 C16.1 C51.2 C52.1 C53.2 C54.1 C59.2 C60.2 R51.1 R97.1 U1.8 U2.8 U3.1 U4.1 U5.2 U6.2 U7.5 U8.5 X3.1 X4.4 X6.2 X9.2 | length 182.1
  Top Layer w0.5: v4(381.075,105.725) 393.375,105.725 395.795,103.305 v4(395.795,100.36)
  Bottom Layer w0.5: X4.4@6.795,100.15 6.795,101.695 9.095,103.995 9.095,105.125 U1.8@9.145,105.175 9.145,106.995 10.95,108.8 15.375,108.8 18.8,108.8 C52.1@22.325,108.8 22.55,108.8 22.83,109.08 U5.2@24.725,109.08 ; C16.1@18.8,108.7 18.8,106.575 27.975,97.4 32.475,97.4 44.394,109.319 C59.2@44.394,110.975 44.169,110.975 44.019,111.125 44.019,111.682 43.726,111.975 41.237,111.975 40.944,111.682 40.944,111.155 40.864,111.075 U7.5@40.694,111.075 ; C51.2@34.275,120.85 34.275,123.151 U3.1@34.295,123.171 ; X9.2@67.46,282 72.86,276.6 R97.1@79.2,276.6 ; U4.1@380.445,108.471 380.445,105.78 C53.2@380.45,105.775 ; U8.5@390.3,100.3 390.47,100.3 390.55,100.38 390.55,100.957 390.843,101.25 393.282,101.25 393.575,100.957 393.575,100.4 393.725,100.25 C60.2@393.95,100.25 v4@395.795,100.25 ; v4(395.795,100.36) 395.795,100.298 395.843,100.25 414.5,100.25 418.325,96.425 418.325,89.485 X3.1@415.95,87.11 ; U6.2@408.42,75.875 408.42,74.33 409.075,73.675 412.275,73.675 414.55,75.95 414.55,79.975 417.109,82.534 417.109,85.951 X3.1@415.95,87.11 ; C54.1@412.95,86.6 C54.1@412.975,86.625 ; U2.8@412.975,89.545 C54.1@412.975,86.625 ; C54.1@412.975,86.625 413.068,86.625 413.1,86.657 414.182,86.657 414.635,87.11 X3.1@415.95,87.11
  Bottom Layer w1: R51.1@65.55,16.1 70.64,16.1 X6.2@72.54,18
+15V: R22.1 R57.1 R76.1 R118.1 X7.1 X10.1 | length 84.5
  Top Layer w1: X7.1@240.053,18.053 242.25,20.25 255.525,20.25 v3(256.875,18.9)
  Bottom Layer w1: R76.1@227.575,18.275 R76.1@230.025,18.275 ; R118.1@229.5,275.475 R118.1@229.5,277.925 236.925,277.925 X10.1@240,281 259.6,281 267.675,272.925 267.675,272.75 267.9,272.525 R57.1@268.075,272.525 R57.1@268.075,270.075 ; R76.1@230.025,18.225 230.25,18 X7.1@240,18 ; v3(256.875,18.9) 256.9,18.875 R22.1@262.175,18.875
+24V: VD6.2 VD12.2 VD23.2 VD26.2 VD27.2 VD40.2 VD45.2 VD47.2 VT1.2 VT4.2 VT16.2 VT21.2 VT31.2 VT36.2 VT55.2 VT58.2 X6.3 X9.3 X13.1 X14.1 | length 677.7
  Top Layer w0.8: v1(92.575,14.15) 92.6,14.125 92.6,9 v1(92.625,8.975)
  Top Layer w1: v3(42.675,294.3) v4(51.175,285.8) 52.02,284.955 53.038,284.955 ; v1(49.775,5.7) 49.8,5.725 v1(49.8,12.8) ; 52.96,282.575 52.96,284.877 53.038,284.955 ; X9.3@64.92,282 64.92,284.955 53.038,284.955 ; 64.92,284.983 86.4,284.983 ; X6.3@75.08,18 75.08,4.245 v3(75.1,4.225) 76.875,6 83.858,6 ; X14.1@84.11,16.85 84.11,6.252 83.858,6 ; v3(86.4,283.325) 86.4,284.983 ; v3(220.275,288.1) 220.275,291.8 216.15,295.925 188.75,295.925 172.15,279.325 145.8,279.325 129.225,295.9 102.175,295.9 v3(97.675,291.4) 91.258,284.983 86.4,284.983 ; v3(238.175,11.85) 230.1,3.775 192.125,3.775 175.2,20.7 157.325,20.7 140.675,4.05 99.225,4.05 97.275,6 83.858,6
  Bottom Layer w0.5: VD6.2@39.65,284.625 39.65,284.825 39.7,284.875 40.65,285.825 51.15,285.825 v4(51.175,285.8) ; v3(220.275,288.1) 221.786,288.1 221.815,288.129 224.445,288.129 224.47,288.104 225.654,288.104 226.179,288.629 VT55.2@227.725,288.629
  Bottom Layer w0.8: 83.225,2.3 83.225,7.325 84.975,9.075 92.471,9.075 92.571,8.975 v1(92.625,8.975) 92.6,8.95 VT21.2@92.6,7.5 ; v1(92.575,14.15) 94.425,14.15 95.125,13.45 VD26.2@95.125,12.625
  Bottom Layer w1: VD12.2@38.1,12.8 v1(49.8,12.8) ; v3(42.675,294.3) 42.687,294.288 44.512,294.288 VT31.2@44.525,294.275 VT31.2@44.525,290.775 ; VT1.2@49.822,7.3 VT1.2@49.822,3.8 50.072,3.8 50.322,3.55 50.322,3.3 51.322,2.3 62.7,2.3 64.625,4.225 v3(75.1,4.225) 79.825,4.225 81.75,2.3 83.225,2.3 90.9,2.3 92.1,3.5 92.1,3.75 92.35,4 VT21.2@92.6,4 ; v3(86.4,283.325) 86.45,283.375 VD47.2@88.425,283.375 ; VT58.2@95.825,291.425 95.837,291.412 97.662,291.412 v3(97.675,291.4) ; VD45.2@220.825,292.729 220.275,292.179 v3(220.275,288.1) 220.275,286.55 221.575,285.25 229.6,285.25 231.167,286.817 231.167,288.571 VT55.2@231.225,288.629 233.625,288.629 234.896,287.358 VT36.2@262.675,287.358 262.806,287.227 262.806,285.619 264.15,284.275 267.175,284.275 268.608,285.708 268.608,287.358 ; VD27.2@227,5.925 227,12.925 228.925,14.85 233.85,14.85 234.875,13.825 VT16.2@234.875,11.9 ; VT16.2@231.375,11.9 VT16.2@234.875,11.9 ; VT4.2@262.95,11.9 VT16.2@234.875,11.9 ; VT4.2@263.089,12.061 263.089,13.864 264.325,15.1 268.139,15.1 268.725,14.514 268.725,11.95 ; VT36.2@266.175,287.358 268.608,287.358 ; VT4.2@266.7,11.95 271.05,11.95 272.325,10.675 VD23.2@272.325,9.7 ; VD40.2@271.5,288.55 269.8,288.55 268.608,287.358
ADC_I_1: R138.2 X12.1 | length 10.3
  Bottom Layer w0.5: R138.2@380.575,100.3 380.575,98.025 382.5,96.1 X12.1@387.775,96.1
ADC_I_2: R135.2 X11.1 | length 12.5
  Bottom Layer w0.5: X11.1@29,99.5 29,109.425 30.519,110.944 30.519,110.95 30.669,111.1 R135.2@30.894,111.1